# Allegro board T736_DEMO_DBOARD_V0-5-draft.brd (continued)
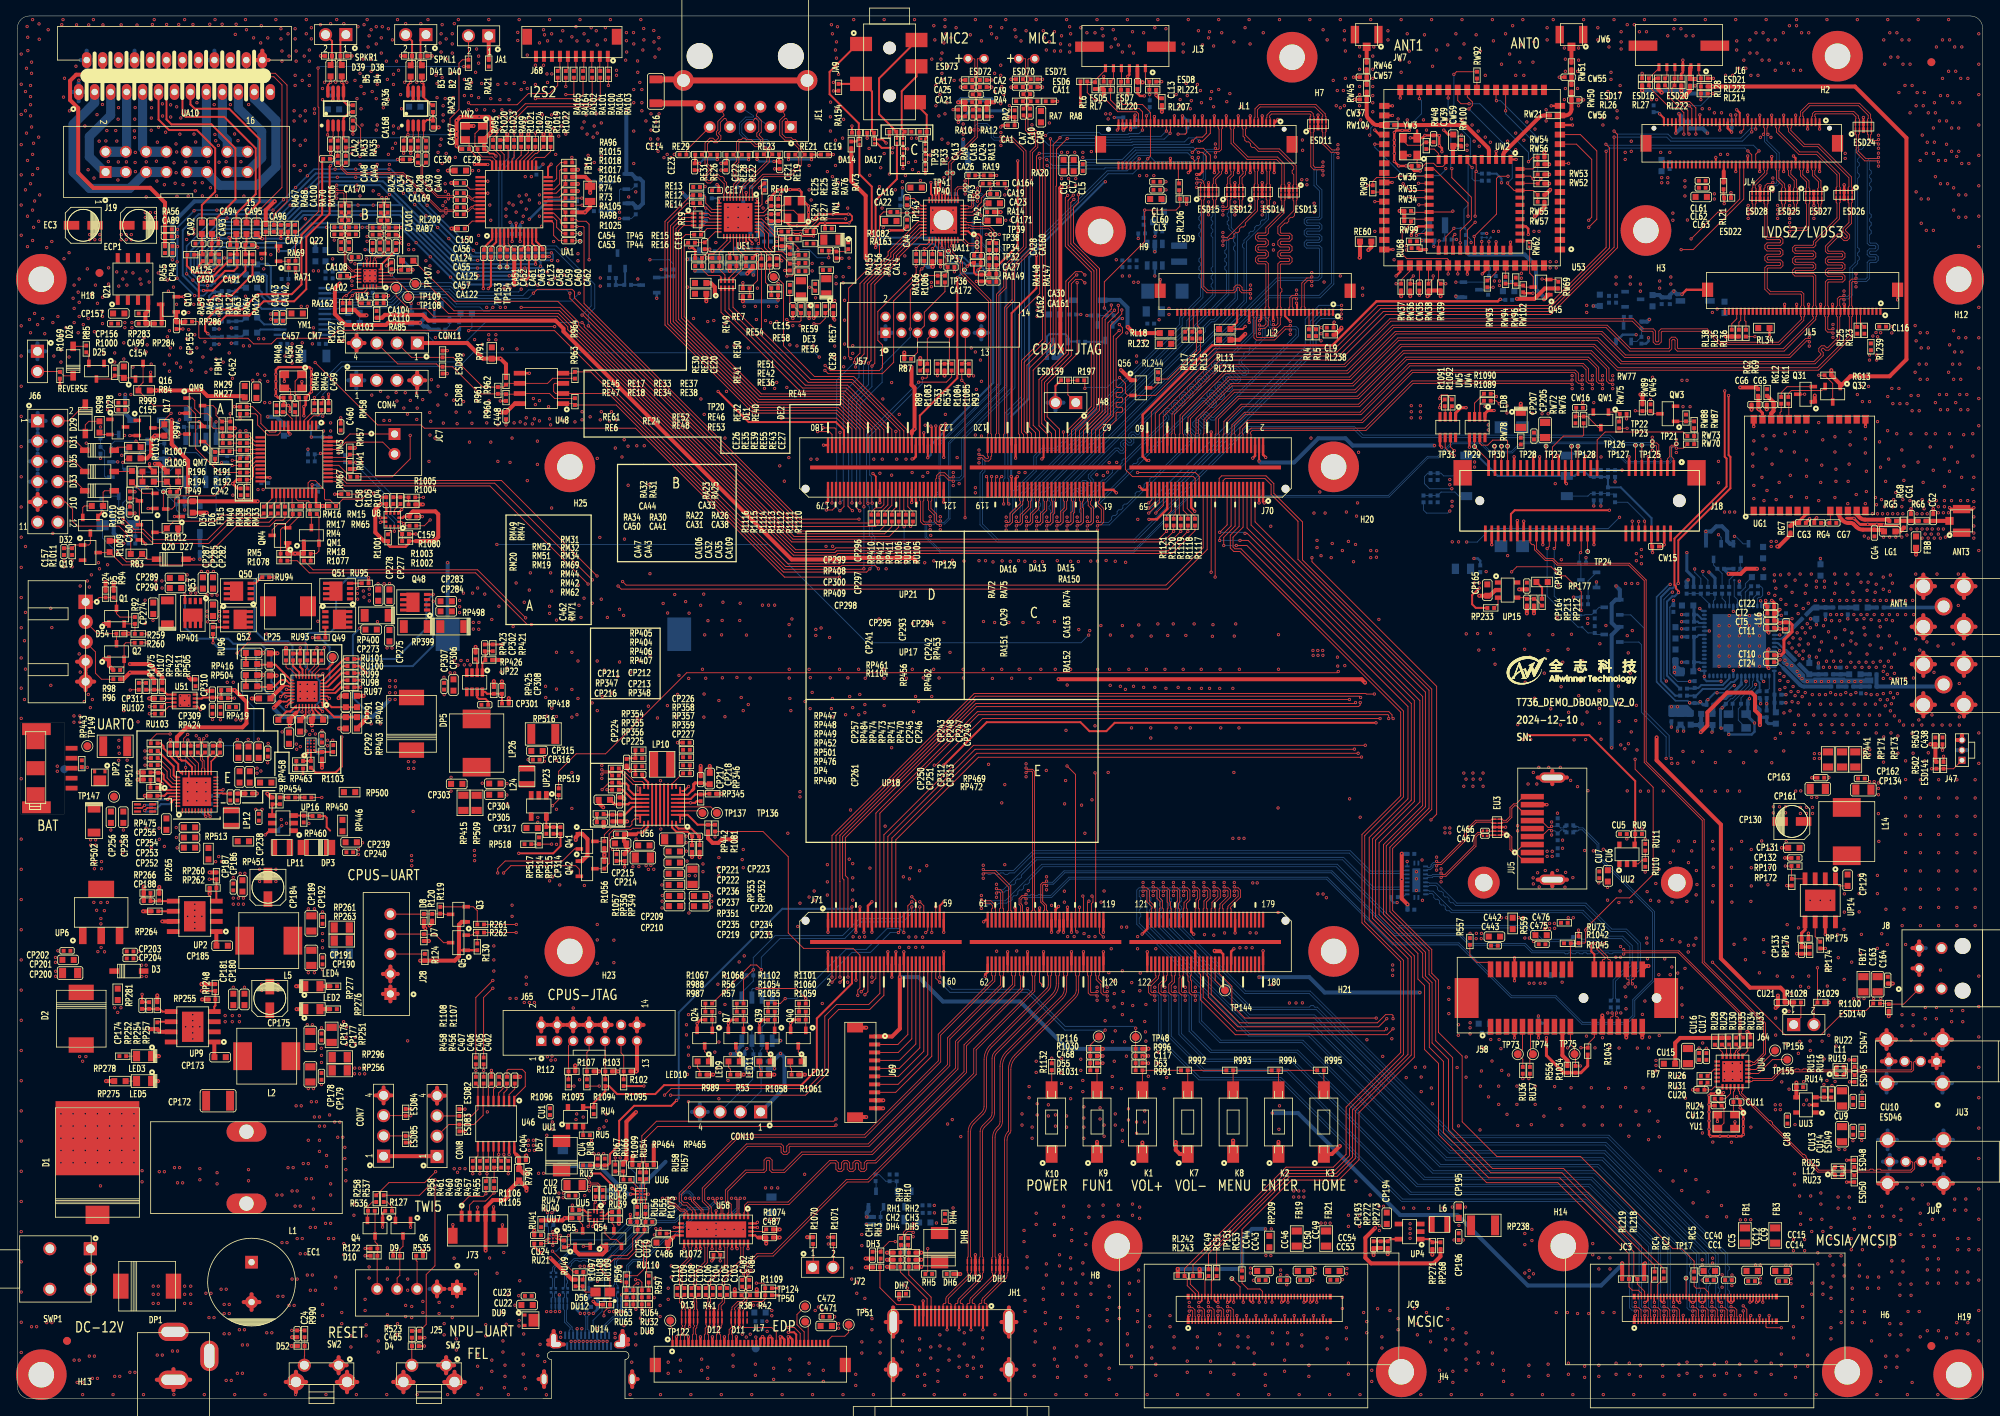
[diagram p0: board, top side]
## Routing (per net, layer and track width the routed paths; a pad name or vN(x,y) marks a point on that pad's centre or on a via; arc(x,y) is an arc through that point) (continued)
  BOTTOM w0.102: v1(205.09,10.97) 204.96,11.1 204.64,11.1 204.36,11.38 204.36,19.08 196.87,26.57 175.3,26.57 159.62,42.25 148.89,42.25 145.52,45.63 145.52,50.49 145.41,50.6 145.16,50.6 v1(145.03,50.47)
MCSIA-CKP: length 90.4
  TOP w0.102: JC3.17 205.85,10.26 205.81,10.31 205.81,11.12 205.53,11.4 205.21,11.4 v1(205.09,11.53) ; v1(145.03,51.03) 144.91,50.9 144.67,50.9 144.55,51.02 144.55,51.79 144.96,52.19 144.96,52.98 145.05,53.08 J71.136
  BOTTOM w0.102: v1(145.03,51.03) 145.16,50.9 145.54,50.9 145.82,50.62 145.82,45.75 149.02,42.55 159.74,42.55 175.42,26.87 197,26.87 204.67,19.21 204.67,11.51 204.77,11.4 204.96,11.4 v1(205.09,11.53)
MCSIA-D0N: length 90.8
  TOP w0.102: J71.130 143.55,53.08 143.65,52.98 143.65,52.59 142.98,51.92 142.98,50.9 143.28,50.6 143.64,50.6 v1(143.76,50.47) ; JC3.9 204.25,10.26 204.3,10.31 204.3,11 204.2,11.1 204.01,11.1 v1(203.88,10.97)
  BOTTOM w0.102: v1(203.88,10.97) 203.76,11.1 203.44,11.1 203.16,11.38 203.16,19.09 196.68,25.57 174.46,25.57 159.04,41 148.56,41 144.25,45.31 144.25,50.49 144.14,50.6 143.89,50.6 v1(143.76,50.47)
MCSIA-D0P: length 90.8
  TOP w0.102: v1(203.88,11.53) 204.01,11.4 204.33,11.4 204.61,11.12 204.61,10.31 204.66,10.26 JC3.11 ; J71.132 144.05,53.08 143.96,52.98 143.96,52.47 143.28,51.79 143.28,51.02 143.4,50.9 143.64,50.9 v1(143.76,51.03)
  BOTTOM w0.102: v1(203.88,11.53) 203.76,11.4 203.57,11.4 203.47,11.51 203.47,19.22 196.81,25.88 174.59,25.88 159.17,41.3 148.69,41.3 144.55,45.44 144.55,50.62 144.27,50.9 143.89,50.9 v1(143.76,51.03)
MCSIA-D1N: length 89.9
  TOP w0.102: JC3.21 206.65,10.26 206.7,10.31 206.7,11 206.6,11.1 206.41,11.1 v1(206.29,10.97) ; J71.138 145.55,53.08 145.65,52.98 145.65,52.84 145.52,52.71 145.52,50.9 145.82,50.6 146.18,50.6 v1(146.3,50.47)
  BOTTOM w0.102: v1(146.3,50.47) 146.43,50.6 146.68,50.6 146.79,50.49 146.79,46.06 149.48,43.37 160.28,43.37 176.21,27.44 197.17,27.44 205.56,19.04 205.56,11.38 205.84,11.1 206.16,11.1 v1(206.29,10.97)
MCSIA-D1P: length 89.9
  TOP w0.102: v1(146.3,51.03) 146.18,50.9 145.94,50.9 145.82,51.02 145.82,52.58 145.96,52.71 145.96,52.98 146.05,53.08 J71.140 ; JC3.23 207.06,10.26 207.01,10.31 207.01,11.12 206.73,11.4 206.41,11.4 v1(206.29,11.53)
  BOTTOM w0.102: v1(146.3,51.03) 146.43,50.9 146.81,50.9 147.09,50.62 147.09,46.19 149.61,43.68 160.41,43.68 176.34,27.74 197.29,27.74 205.87,19.17 205.87,11.51 205.97,11.4 206.16,11.4 v1(206.29,11.53)
MCSIA-D2N: length 91.2
  TOP w0.102: JC3.3 203.06,10.26 203.1,10.31 203.1,11 203,11.1 202.81,11.1 v1(202.69,10.97) ; v1(142.49,50.47) 142.37,50.6 142.01,50.6 141.71,50.9 141.71,51.87 142.65,52.81 142.65,52.98 142.55,53.08 J71.126
  BOTTOM w0.102: v1(202.69,10.97) 202.56,11.1 202.25,11.1 201.97,11.38 201.97,19.1 196.36,24.71 173.41,24.71 158.17,39.95 148.01,39.95 142.98,44.98 142.98,50.49 142.87,50.6 142.62,50.6 v1(142.49,50.47)
MCSIA-D2P: length 91.2
  TOP w0.102: v1(202.69,11.53) 202.81,11.4 203.13,11.4 203.41,11.12 203.41,10.31 203.45,10.26 JC3.5 ; J71.128 143.05,53.08 142.96,52.98 142.96,52.68 142.01,51.74 142.01,51.02 142.13,50.9 142.37,50.9 v1(142.49,51.03)
  BOTTOM w0.102: v1(202.69,11.53) 202.56,11.4 202.37,11.4 202.27,11.51 202.27,19.23 196.49,25.01 173.54,25.01 158.29,40.26 148.13,40.26 143.28,45.11 143.28,50.62 143,50.9 142.62,50.9 v1(142.49,51.03)
MCSIA-D3N: length 89.2
  TOP w0.102: v1(207.49,10.97) 207.61,11.1 207.8,11.1 207.9,11 207.9,10.31 207.86,10.26 JC3.27 ; J71.142 146.55,53.08 146.65,52.98 146.65,52.36 146.79,52.22 146.79,50.9 147.09,50.6 147.45,50.6 v1(147.57,50.47)
  BOTTOM w0.102: v1(147.57,50.47) 147.7,50.6 147.95,50.6 148.06,50.49 148.06,47.22 150.65,44.62 160.93,44.62 177.29,28.26 197.56,28.26 206.76,19.06 206.76,11.38 207.04,11.1 207.36,11.1 v1(207.49,10.97)
MCSIA-D3P: length 89.2
  TOP w0.102: JC3.29 208.25,10.26 208.21,10.31 208.21,11.12 207.93,11.4 207.61,11.4 v1(207.49,11.53) ; v1(147.57,51.03) 147.45,50.9 147.21,50.9 147.09,51.02 147.09,52.35 146.96,52.48 146.96,52.98 147.05,53.08 J71.144
  BOTTOM w0.102: v1(147.57,51.03) 147.7,50.9 148.08,50.9 148.36,50.62 148.36,47.35 150.78,44.93 161.05,44.93 177.42,28.56 197.69,28.56 207.07,19.19 207.07,11.51 207.17,11.4 207.36,11.4 v1(207.49,11.53)
MCSIA-FSIN0: length 2.3
  TOP w0.114: TP17.1 209.05,15.1 JC3.34
MCSIA-MCLK: length 128
  TOP w0.114: RC4.1 205.1,16.71 193.49,28.32 184.58,28.32 179.28,33.61 179.28,42.53 177.23,44.58 177.23,52.15 176.39,52.98 176.39,55.96 171.49,60.86 171.49,69.29 176.39,74.19 176.39,88.56 155.05,109.9 J70.5
MCSIA-PWDN: length 140.3
  TOP w0.114: RC5.1 210.06,17.23 208.5,18.8 207.38,18.8 195.83,30.35 185.34,30.35 181,34.7 181,42.95 178.03,45.92 178.03,52.48 177.19,53.31 177.19,56.29 172.29,61.19 172.29,68.96 177.19,73.86 177.19,88.93 161,105.12 161,109.88 157.4,113.47 157.4,114.69 156.43,115.67 150.87,115.67 150.55,115.35 J70.23
MCSIA-RESET: length 135.9
  TOP w0.114: J70.21 151.05,115.06 151.32,115.32 156.29,115.32 157.06,114.55 157.06,113.33 160.43,109.97 160.43,105.2 176.85,88.78 176.85,74.01 171.95,69.1 171.95,61.05 176.85,56.14 176.85,53.17 177.68,52.34 177.68,44.86 179.8,42.74 179.8,33.83 184.79,28.84 193.71,28.84 206.25,16.3 RC2.1
MCSIA-SCK: length 130.8
  TOP w0.114: J70.7 154.56,113.91 154.56,109.49 176.05,88 176.05,74.34 171.15,69.43 171.15,60.72 176.05,55.81 176.05,52.84 176.89,52 176.89,44.03 178.65,42.26 178.65,33.35 184.31,27.68 193.23,27.68 202.5,18.41 202.5,15.43 RL218.1 202.95,14.35 203.86,13.44 JC3.8
MCSIA-SDA: length 131.5
  TOP w0.114: J70.9 154.05,113.91 154.05,109.14 175.71,87.48 175.71,74.78 170.59,69.67 170.59,60.66 175.45,55.79 175.45,52.59 176.29,51.76 176.29,43.76 178.04,42.01 178.04,33.09 184.06,27.07 192.98,27.07 201.89,18.16 RL219.1 201.89,14.01 202.31,13.59 203.07,13.59 203.45,13.21 JC3.6
MCSIB-CKN: length 105.4
  TOP w0.102: v1(143.56,64.16) 143.69,64.03 144.05,64.03 144.35,63.73 144.35,62.36 144.46,62.25 144.46,61.48 144.55,61.39 J71.133 ; v1(212.28,10.97) 212.41,11.1 212.6,11.1 212.7,11 212.7,10.31 212.65,10.26 JC3.51
  BOTTOM w0.102: v1(143.56,64.16) 143.43,64.03 143.06,64.03 142.77,63.75 142.77,59.31 154.3,47.79 162.38,47.79 179.4,30.77 198.8,30.77 211.56,18 211.56,11.38 211.84,11.1 212.16,11.1 v1(212.28,10.97)
MCSIB-CKP: length 105.4
  TOP w0.102: JC3.53 213.06,10.26 213.01,10.31 213.01,11.12 212.73,11.4 212.41,11.4 v1(212.28,11.53) ; J71.131 144.05,61.39 144.15,61.48 144.15,62.12 144.04,62.23 144.04,63.61 143.92,63.73 143.69,63.73 v1(143.56,63.6)
  BOTTOM w0.102: v1(212.28,11.53) 212.16,11.4 211.97,11.4 211.87,11.51 211.87,14.08 212.07,14.28 212.07,14.58 211.87,14.78 211.87,15.09 212.07,15.29 212.07,15.59 211.87,15.79 211.87,16.1 212.07,16.3 212.07,16.6 211.87,16.8 211.87,18.13 198.92,31.07 179.52,31.07 162.5,48.09 154.43,48.09 143.08,59.44 143.08,60.07 143.28,60.27 143.28,60.57 143.08,60.77 143.08,61.08 143.28,61.28 143.28,61.58 143.08,61.78 143.08,62.09 143.28,62.29 143.28,62.59 143.08,62.8 143.08,63.62 143.19,63.73 143.43,63.73 v1(143.56,63.6)
MCSIB-D0N: length 105.6
  TOP w0.102: v1(142.29,64.16) 142.42,64.03 142.78,64.03 143.08,63.73 143.08,62.81 143.46,62.44 143.46,61.48 143.55,61.39 J71.129 ; v1(211.09,10.97) 211.21,11.1 211.4,11.1 211.5,11 211.5,10.31 211.46,10.26 JC3.45
  BOTTOM w0.102: v1(142.29,64.16) 142.16,64.03 141.79,64.03 141.5,63.75 141.5,59.34 154.16,46.69 162.16,46.69 178.95,29.9 198.52,29.9 210.36,18.06 210.36,11.38 210.64,11.1 210.96,11.1 v1(211.09,10.97)
MCSIB-D0P: length 105.6
  TOP w0.102: J71.127 143.05,61.39 143.15,61.48 143.15,62.31 142.77,62.69 142.77,63.61 142.65,63.73 142.42,63.73 v1(142.29,63.6) ; JC3.47 211.85,10.26 211.81,10.31 211.81,11.12 211.53,11.4 211.21,11.4 v1(211.09,11.53)
  BOTTOM w0.102: v1(142.29,63.6) 142.16,63.73 141.92,63.73 141.81,63.62 141.81,62.94 142.01,62.74 142.01,62.44 141.81,62.23 141.81,61.93 142.01,61.73 142.01,61.42 141.81,61.22 141.81,60.92 142.01,60.72 142.01,60.41 141.81,60.21 141.81,59.47 154.28,47 162.28,47 179.07,30.21 198.65,30.21 210.67,18.19 210.67,16.62 210.87,16.42 210.87,16.11 210.67,15.91 210.67,13.96 210.87,13.76 210.87,13.45 210.67,13.25 210.67,12.95 210.87,12.75 210.87,12.44 210.67,12.24 210.67,11.51 210.77,11.4 210.96,11.4 v1(211.09,11.53)
MCSIB-D1N: length 105.4
  TOP w0.102: v1(213.49,10.97) 213.61,11.1 213.8,11.1 213.9,11 213.9,10.31 213.86,10.26 JC3.57 ; J71.137 145.55,61.39 145.46,61.48 145.46,62.08 145.62,62.24 145.62,63.73 145.32,64.03 144.96,64.03 v1(144.83,64.16)
  BOTTOM w0.102: v1(213.49,10.97) 213.36,11.1 213.04,11.1 212.76,11.38 212.76,17.95 198.92,31.79 179.69,31.79 162.73,48.76 154.45,48.76 144.04,59.16 144.04,63.75 144.33,64.03 144.7,64.03 v1(144.83,64.16)
MCSIB-D1P: length 105.4
  TOP w0.102: JC3.59 214.25,10.26 214.21,10.31 214.21,11.12 213.93,11.4 213.61,11.4 v1(213.49,11.53) ; J71.135 145.05,61.39 145.15,61.48 145.15,62.2 145.31,62.37 145.31,63.61 145.19,63.73 144.96,63.73 v1(144.83,63.6)
  BOTTOM w0.102: v1(144.83,63.6) 144.7,63.73 144.46,63.73 144.35,63.62 144.35,62.84 144.55,62.64 144.55,62.33 144.35,62.13 144.35,61.83 144.55,61.62 144.55,61.32 144.35,61.12 144.35,60.81 144.55,60.61 144.55,60.31 144.35,60.11 144.35,59.29 154.57,49.07 161.84,49.07 162.04,49.27 162.35,49.27 162.55,49.07 162.85,49.07 179.82,32.1 199.04,32.1 213.07,18.07 213.07,13.92 213.27,13.72 213.27,13.42 213.07,13.22 213.07,12.91 213.27,12.71 213.27,12.41 213.07,12.21 213.07,11.51 213.17,11.4 213.36,11.4 v1(213.49,11.53)
MCSIB-D2N: length 105.6
  TOP w0.102: v1(209.89,10.97) 210.01,11.1 210.2,11.1 210.3,11 210.3,10.31 210.26,10.26 JC3.39 ; v1(141.02,64.16) 141.15,64.03 141.51,64.03 141.81,63.73 141.81,62.4 142.46,61.75 142.46,61.48 142.55,61.39 J71.125
  BOTTOM w0.102: v1(141.02,64.16) 140.89,64.03 140.52,64.03 140.23,63.75 140.23,59.46 154.25,45.44 161.8,45.44 178.18,29.06 197.97,29.06 209.16,17.86 209.16,11.38 209.44,11.1 209.76,11.1 v1(209.89,10.97)
MCSIB-D2P: length 105.6
  TOP w0.102: v1(141.02,63.6) 141.15,63.73 141.38,63.73 141.5,63.61 141.5,62.27 142.15,61.63 142.15,61.48 142.05,61.39 J71.123 ; v1(209.89,11.53) 210.01,11.4 210.33,11.4 210.61,11.12 210.61,10.31 210.65,10.26 JC3.41
  BOTTOM w0.102: v1(209.89,11.53) 209.76,11.4 209.57,11.4 209.47,11.51 209.47,14.83 209.67,15.03 209.67,15.34 209.47,15.54 209.47,15.84 209.67,16.04 209.67,16.35 209.47,16.55 209.47,16.85 209.67,17.05 209.67,17.36 209.47,17.56 209.47,17.99 198.09,29.36 178.31,29.36 161.92,45.75 154.38,45.75 140.54,59.59 140.54,60.24 140.74,60.44 140.74,60.74 140.54,60.94 140.54,61.25 140.74,61.45 140.74,61.75 140.54,61.95 140.54,62.26 140.74,62.46 140.74,62.76 140.54,62.97 140.54,63.62 140.65,63.73 140.89,63.73 v1(141.02,63.6)
MCSIB-D3N: length 105.4
  TOP w0.102: v1(146.1,64.16) 146.23,64.03 146.59,64.03 146.89,63.73 146.89,62.48 146.46,62.05 146.46,61.48 146.55,61.39 J71.141 ; JC3.63 215.05,10.26 215.1,10.31 215.1,11 215,11.1 214.81,11.1 v1(214.68,10.97)
  BOTTOM w0.102: v1(214.68,10.97) 214.56,11.1 214.24,11.1 213.96,11.38 213.96,18.02 199.27,32.71 179.9,32.71 161.84,50.77 153.77,50.77 145.31,59.23 145.31,63.75 145.6,64.03 145.97,64.03 v1(146.1,64.16)
MCSIB-D3P: length 105.4
  TOP w0.102: JC3.65 215.46,10.26 215.41,10.31 215.41,11.12 215.13,11.4 214.81,11.4 v1(214.68,11.53) ; v1(146.1,63.6) 146.23,63.73 146.46,63.73 146.58,63.61 146.58,62.61 146.15,62.18 146.15,61.48 146.05,61.39 J71.139
  BOTTOM w0.102: v1(214.68,11.53) 214.56,11.4 214.37,11.4 214.27,11.51 214.27,12.97 214.47,13.17 214.47,13.48 214.27,13.68 214.27,14.63 214.47,14.83 214.47,15.13 214.27,15.33 214.27,15.99 214.47,16.2 214.47,16.5 214.27,16.7 214.27,18.14 199.39,33.02 180.03,33.02 161.97,51.08 153.89,51.08 145.62,59.35 145.62,60.16 145.82,60.36 145.82,60.67 145.62,60.87 145.62,61.17 145.82,61.37 145.82,61.68 145.62,61.88 145.62,62.18 145.82,62.38 145.82,62.69 145.62,62.89 145.62,63.62 145.73,63.73 145.97,63.73 v1(146.1,63.6)
MCSIB-FSIN0: length 2.7
  TOP w0.114: v1(220.98,8.89) 219.17,8.89 219.05,9 JC3.83
MCSIC-CKN: length 61.3
  TOP w0.102: JC9.15 149.58,10.26 149.62,10.31 149.62,11 149.52,11.1 149.33,11.1 v1(149.21,10.97) ; v1(149.91,64.16) 150.04,64.03 150.4,64.03 150.7,63.73 150.7,62.81 149.96,62.07 149.96,61.48 150.05,61.39 J71.155
  L4 w0.102: v1(149.91,64.16) 149.77,64.02 149.46,64.02 149.2,63.76 149.2,53.23 148.49,52.52 148.49,11.38 148.75,11.11 149.07,11.11 v1(149.21,10.97)
MCSIC-CKP: length 61.2
  TOP w0.102: JC9.17 149.97,10.26 149.93,10.31 149.93,11.12 149.65,11.4 149.33,11.4 v1(149.21,11.53) ; J71.153 149.55,61.39 149.65,61.48 149.65,62.2 150.39,62.94 150.39,63.61 150.27,63.73 150.04,63.73 v1(149.91,63.6)
  L4 w0.102: v1(149.21,11.53) 149.07,11.39 148.87,11.39 148.77,11.49 148.77,40.34 148.94,40.52 148.94,40.82 148.77,41 148.77,41.3 148.94,41.48 148.94,41.78 148.77,41.96 148.77,42.26 148.94,42.44 148.94,42.74 148.77,42.92 148.77,47.22 148.94,47.39 148.94,47.7 148.77,47.87 148.77,48.18 148.94,48.35 148.94,48.66 148.77,48.83 148.77,49.14 148.94,49.31 148.94,49.62 148.77,49.79 148.77,52.4 149.48,53.11 149.48,63.64 149.58,63.74 149.77,63.74 v1(149.91,63.6)
MCSIC-D0N: length 61.5
  TOP w0.102: J71.151 149.05,61.39 148.96,61.48 148.96,62.24 149.43,62.71 149.43,63.73 149.13,64.03 148.77,64.03 v1(148.64,64.16) ; v1(148,10.97) 148.13,11.1 148.32,11.1 148.42,11 148.42,10.31 148.37,10.26 JC9.9
  L4 w0.102: v1(148.64,64.16) 148.52,64.03 148.23,64.03 147.9,63.7 147.9,53.46 146.79,52.34 146.79,43.75 147.29,43.24 147.29,11.39 147.56,11.13 147.85,11.13 v1(148,10.97)
MCSIC-D0P: length 61.5
  TOP w0.102: J71.149 148.55,61.39 148.65,61.48 148.65,62.37 149.12,62.84 149.12,63.61 149,63.73 148.77,63.73 v1(148.64,63.6) ; v1(148,11.53) 148.13,11.4 148.45,11.4 148.73,11.12 148.73,10.31 148.78,10.26 JC9.11
  L4 w0.102: v1(148,11.53) 147.88,11.4 147.68,11.4 147.57,11.51 147.57,12.74 147.75,12.91 147.75,13.22 147.57,13.39 147.57,13.7 147.75,13.87 147.75,14.18 147.57,14.35 147.57,14.66 147.75,14.83 147.75,15.14 147.57,15.31 147.57,17.61 147.75,17.79 147.75,18.09 147.57,18.27 147.57,18.57 147.75,18.75 147.75,19.05 147.57,19.23 147.57,19.53 147.75,19.71 147.75,20.01 147.57,20.19 147.57,43.36 147.07,43.87 147.07,52.22 148.18,53.34 148.18,63.59 148.35,63.76 148.49,63.76 v1(148.64,63.6)
MCSIC-D1N: length 61.4
  TOP w0.102: v1(150.41,10.97) 150.53,11.1 150.72,11.1 150.82,11 150.82,10.31 150.77,10.26 JC9.21 ; J71.159 151.05,61.39 150.96,61.48 150.96,61.85 151.97,62.87 151.97,63.73 151.67,64.03 151.31,64.03 v1(151.18,64.16)
  L4 w0.102: v1(150.41,10.97) 150.28,11.1 149.99,11.1 149.71,11.39 149.71,52.19 150.42,52.9 150.42,63.7 150.73,64.02 151.04,64.02 v1(151.18,64.16)
MCSIC-D1P: length 61.3
  TOP w0.102: v1(151.18,63.6) 151.31,63.73 151.54,63.73 151.66,63.61 151.66,62.99 150.65,61.98 150.65,61.48 150.55,61.39 J71.157 ; JC9.23 151.18,10.26 151.13,10.31 151.13,11.12 150.85,11.4 150.53,11.4 v1(150.41,11.53)
  L4 w0.102: v1(151.18,63.6) 151.04,63.74 150.85,63.74 150.7,63.59 150.7,52.78 149.99,52.07 149.99,51.55 150.16,51.38 150.16,51.07 149.99,50.89 149.99,50.59 150.16,50.41 150.16,50.11 149.99,49.93 149.99,49.63 150.16,49.45 150.16,49.15 149.99,48.97 149.99,15.15 150.16,14.98 150.16,14.67 149.99,14.5 149.99,14.19 150.16,14.02 150.16,13.71 149.99,13.54 149.99,13.23 150.16,13.06 150.16,12.75 149.99,12.58 149.99,11.5 150.11,11.38 150.25,11.38 v1(150.41,11.53)
MCSIC-D2N: length 61.4
  TOP w0.102: v1(146.81,10.97) 146.93,11.1 147.12,11.1 147.22,11 147.22,10.31 147.18,10.26 JC9.3 ; J71.147 148.05,61.39 147.96,61.48 147.96,62.43 148.13,62.61 148.13,63.75 147.85,64.03 147.5,64.03 v1(147.37,64.16)
  L4 w0.102: v1(147.37,64.16) 147.23,64.02 146.92,64.02 146.66,63.76 146.66,54.22 145.57,53.13 145.57,43.04 146,42.6 146,11.38 146.27,11.11 146.67,11.11 v1(146.81,10.97)
MCSIC-D2P: length 61.4
  TOP w0.102: v1(146.81,11.53) 146.93,11.4 147.25,11.4 147.53,11.12 147.53,10.31 147.57,10.26 JC9.5 ; v1(147.37,63.6) 147.5,63.73 147.73,63.73 147.83,63.63 147.83,62.74 147.65,62.56 147.65,61.48 147.55,61.39 J71.145
  L4 w0.102: v1(147.37,63.6) 147.23,63.74 147.04,63.74 146.94,63.64 146.94,54.1 145.85,53.01 145.85,49.16 146.02,48.99 146.02,48.68 145.85,48.51 145.85,48.2 146.02,48.03 146.02,47.72 145.85,47.55 145.85,47.24 146.02,47.07 146.02,46.76 145.85,46.59 145.85,43.15 146.28,42.72 146.28,41.05 146.46,40.87 146.46,40.57 146.28,40.39 146.28,40.09 146.46,39.91 146.46,39.61 146.28,39.43 146.28,39.13 146.46,38.95 146.46,38.65 146.28,38.47 146.28,11.49 146.38,11.39 146.67,11.39 v1(146.81,11.53)
MCSIC-D3N: length 61.5
  TOP w0.102: v1(151.61,10.97) 151.73,11.1 151.92,11.1 152.02,11 152.02,10.31 151.98,10.26 JC9.27 ; v1(152.45,64.16) 152.58,64.03 152.94,64.03 153.24,63.73 153.24,62.87 151.96,61.58 151.96,61.48 152.05,61.39 J71.163
  L4 w0.102: v1(152.45,64.16) 152.31,64.02 152,64.02 151.74,63.76 151.74,52.39 150.95,51.6 150.95,11.36 151.21,11.1 151.48,11.1 v1(151.61,10.97)
MCSIC-D3P: length 61.4
  TOP w0.102: J71.161 151.55,61.39 151.65,61.48 151.65,61.71 152.93,62.99 152.93,63.61 152.81,63.73 152.58,63.73 v1(152.45,63.6) ; v1(151.61,11.53) 151.73,11.4 152.05,11.4 152.33,11.12 152.33,10.31 152.37,10.26 JC9.29
  L4 w0.102: v1(151.61,11.53) 151.45,11.38 151.33,11.38 151.23,11.48 151.23,38.74 151.4,38.91 151.4,39.22 151.23,39.39 151.23,39.7 151.4,39.87 151.4,40.18 151.23,40.35 151.23,40.66 151.4,40.83 151.4,41.14 151.23,41.31 151.23,48.6 151.4,48.77 151.4,49.08 151.23,49.25 151.23,49.56 151.4,49.73 151.4,50.04 151.23,50.21 151.23,50.52 151.4,50.69 151.4,51 151.23,51.17 151.23,51.48 152.02,52.27 152.02,63.64 152.12,63.74 152.31,63.74 v1(152.45,63.6)
MCSIC-FSIN0: length 2.7
  TOP w0.114: JC9.34 153.17,14.02 TP151.1
MCSIC-MCLK: length 127.4
  TOP w0.114: v1(152.7,106.93) 154.02,106.93 174.21,86.75 174.21,75.19 169.35,70.33 169.35,60.02 174.21,55.17 174.21,43.14 167.26,36.2 167.26,30.28 165.19,28.21 159.27,28.21 149.99,18.93 149.22,18.16 RC49.1 ; v1(151.13,106.93) 151.13,107.95 152.55,109.37 J70.15
  BOTTOM w0.114: v1(151.13,106.93) v1(152.7,106.93)
MCSIC-PWDN: length 126.7
  TOP w0.114: J70.19 151.55,109.52 v1(150.62,108.58) ; v1(153.8,108.46) 154.06,108.46 175.01,87.52 175.01,74.85 170.15,70 170.15,60.35 175.01,55.5 175.01,42.8 168.07,35.86 168.07,29.95 165.52,27.4 159.6,27.4 153.42,21.21 RC53.1
  BOTTOM w0.114: v1(153.8,108.46) 153.67,108.58 v1(150.62,108.58)
MCSIC-RESET: length 127.9
  TOP w0.114: RC51.1 150.24,18.68 159.41,27.86 165.33,27.86 167.61,30.14 167.61,36.05 174.62,43.07 174.62,55.34 169.77,60.19 169.77,70.16 174.62,75.01 174.62,87.12 154.18,107.57 v1(153.16,107.57) ; J70.17 152.05,109.38 150.62,107.95 v1(150.62,107.57)
  BOTTOM w0.114: v1(150.62,107.57) v1(153.16,107.57)
MCSIC-SCK: length 129.9
  TOP w0.114: J70.11 153.55,109.23 152.29,107.97 152.29,106.76 152.53,106.52 153.3,106.52 173.64,86.18 173.64,75.42 168.79,70.57 168.79,59.78 173.64,54.93 173.64,43.12 166.88,36.36 166.88,30.44 165.03,28.59 159.11,28.59 149.61,19.09 147.28,16.76 RL242.1 146.94,15.03 146.94,14.35 147.98,13.31 JC9.8
MCSIC-SDA: length 130.1
  TOP w0.114: J70.13 153.05,109.33 151.95,108.22 151.95,106.62 152.39,106.18 153.16,106.18 173.3,86.04 173.3,75.56 168.45,70.71 168.45,59.64 173.3,54.79 173.3,43.38 166.46,36.53 166.46,30.62 164.85,29.01 158.93,29.01 146.22,16.3 RL243.1 146.56,15.03 146.56,14.16 147.57,13.15 JC9.6
MCU-BOOTSEL0: length 2.6
  TOP w0.114: UM3.44 v1(37.97,118.48)
  BOTTOM w0.114: RM70.1 RM63.1 37.86,118.36 v1(37.97,118.48)
MCU-BOOTSEL1: length 4.2
  TOP w0.114: RM71.1 28.75,114.17 RM62.1 29.21,115.19 29.59,115.57 29.59,116.71 29.86,116.98 UM3.20
MCU-OVP-IRQ: length 157.4
  TOP w0.114: v1(26.92,117.6) 27.64,117.6 RM69.1 ; J71.111 134.05,62.17 v1(134.24,62.36)
  L3 w0.114: v1(26.92,117.6) 35.23,117.6 35.52,117.89 37.81,117.89 42.29,113.41 42.29,108.46 44.07,106.68 59.69,106.68 v1(60.07,107.06)
  L4 w0.114: v1(134.21,95.71) 134.21,62.82 134.24,62.79 v1(134.24,62.36)
  BOTTOM w0.114: v1(60.07,107.06) 94.11,107.06 106.43,94.74 133.24,94.74 v1(134.21,95.71)
MCU-RESET: length 3.1
  TOP w0.114: UM3.7 34.42,122.8 33.57,123.65 C456.1 RM48.1
MCU-SCK: length 16.3
  TOP w0.114: v1(42.37,117.37) RM57.2 41.54,117.48 UM3.42 ; U8.12 v1(47.22,108.72)
  BOTTOM w0.114: v1(47.22,108.72) 47.22,109.82 46.29,110.75 46.29,113.17 42.37,117.1 v1(42.37,117.37) 42.14,117.14 41.33,117.14 R1079.1
MCU-SDA: length 16.7
  TOP w0.114: UM3.43 41.31,117.98 RM58.2 42.59,118.32 43.13,117.78 v1(43.13,117.36) ; R1080.1 48.67,109.41 v1(48.39,109.68) 48.17,109.9 U8.2
  BOTTOM w0.114: v1(48.39,109.68) 47.95,109.68 46.84,110.8 46.84,113.4 43.15,117.08 43.15,117.34 v1(43.13,117.36)
MCU-SWCLK: length 22.2
  TOP w0.114: UM3.37 39.84,114.98 RM67.1 43.04,113.37 43.59,113.92 44.15,113.92 v1(44.62,113.45)
  L4 w0.114: v1(44.62,113.45) 45.42,114.25 45.42,125.5 CON4.3
MCU-SWDIO: length 26.2
  TOP w0.114: v1(43.91,113.46) 43.19,112.75 40.78,112.75 RM65.2 39.16,112.65 38.61,112.65 38.48,112.78 38.48,113.92 37.34,115.06 36.7,115.06 36.42,114.78 UM3.34
  L4 w0.114: CON4.2 45.01,114.57 v1(43.91,113.46)
MCU-UART1-RX: length 6.9
  TOP w0.114: UM3.30 34.42,111.97 RM15.1 RM16.1 34.5,110.57 33.53,109.6 32.64,109.6 31.92,108.88 QM4.3
MCU-UART1-TX: length 5.8
  TOP w0.114: UM3.31 34.92,112.78 35.18,112.52 36.45,112.52 36.66,112.31 RM17.1 RM4.1 36.83,110.7 QM1.3
MCU-X16MI: length 7
  TOP w0.114: UM3.5 35.42,125.32 CM7.2 34.8,125.94 34.8,127.54 YM1.1
MCU-X16MO: length 1.7
  TOP w0.114: UM3.6 34.92,123.53 RM50.2
MDC: length 3.6
  TOP w0.114: RE12.2 86,150.85 86.23,150.62 86.23,149.83 87.01,149.06 UE1.13
MDI0+: length 18.1
  TOP w0.102: JE1.1 96.37,160.43 96.24,160.47 96.15,160.43 95.81,160.09 95.81,158.5 96.27,158.04 96.96,158.04 97.18,157.82 97.46,157.82 97.67,157.61 97.67,157.32 98.2,156.8 98.2,156.37 RE21.1 98.2,155.49 98.2,154.58 97.98,154.37 97.98,154.09 97.77,153.87 97.48,153.87 96.77,153.16 93.53,153.16 92.05,151.68 92.05,151.01 92.1,150.96 UE1.1
MDI0-: length 18.1
  TOP w0.102: JE1.2 96.15,160.88 96.1,160.75 95.97,160.68 95.5,160.21 95.5,158.37 96.14,157.73 96.83,157.73 97.89,156.68 97.89,156.37 RE19.1 97.89,155.49 97.89,154.71 96.65,153.47 93.41,153.47 91.74,151.8 91.74,151.01 91.7,150.96 UE1.2
MDI1+: length 18.2
  TOP w0.102: UE1.4 90.9,150.96 90.85,151.01 90.85,151.63 94.2,154.98 94.2,155.58 RE23.1 94.2,156.33 94.2,156.62 v1(94.32,156.75)
  BOTTOM w0.102: v1(94.32,156.75) 94.2,156.88 94.2,157.56 93.92,157.84 91.59,157.84 90.75,158.67 90.75,159.72 91.36,160.32 92.34,160.32 92.47,160.52 92.61,160.55 JE1.3
MDI1-: length 18.3
  TOP w0.102: v1(93.76,156.75) 93.89,156.62 93.89,156.33 RE22.1 93.89,155.58 93.89,155.11 90.54,151.76 90.54,151.01 90.5,150.96 UE1.5
  BOTTOM w0.102: JE1.6 90.55,161.91 92.22,160.79 92.23,160.72 92.17,160.63 91.23,160.63 90.45,159.85 90.45,158.55 91.47,157.53 93.79,157.53 93.89,157.43 93.89,156.88 v1(93.76,156.75)
MDI2+: length 16.4
  TOP w0.102: JE1.4 92.56,160.88 92.61,160.75 92.74,160.68 93.19,160.23 93.19,158.75 92.94,158.5 92.94,158.35 93.39,157.9 93.39,157.51 92.8,156.92 92.41,156.92 91.84,157.49 90.49,157.49 90.39,157.39 90.39,156.31 RE28.1 90.39,155.55 90.39,154.96 90.04,154.62 90.04,153.34 90.42,152.96 90.42,152.48 90.04,152.1 90.04,151.01 90.1,150.96 UE1.6
MDI2-: length 16.3
  TOP w0.102: UE1.7 89.7,150.96 89.74,151 89.74,152.22 90.12,152.6 90.12,152.83 89.74,153.21 89.74,153.73 89.54,153.93 89.54,154.24 89.74,154.44 89.74,154.74 90.08,155.09 90.08,155.55 RE26.1 90.08,156.31 90.08,157.52 90.36,157.79 90.67,157.79 90.87,158 91.17,158 91.37,157.79 91.96,157.79 92.53,157.22 92.68,157.22 93.09,157.63 93.09,157.78 92.63,158.23 92.63,158.62 92.89,158.88 92.89,160.1 92.56,160.43 92.47,160.47 92.34,160.43 JE1.5
MDI3+: length 17.4
  TOP w0.102: JE1.7 88.75,160.43 88.62,160.47 88.53,160.43 88.06,159.96 88.06,158.88 87.87,158.69 87.87,158.54 88.14,158.28 88.14,157.88 87.67,157.42 87.28,157.42 87.01,157.68 86.87,157.68 86.45,157.26 86.45,156.31 RE31.1 86.45,155.55 86.45,154.79 87.01,154.24 87.01,153.84 86.28,153.11 86.28,152.97 86.56,152.68 86.71,152.68 87.44,153.41 87.83,153.41 88.05,153.19 88.33,153.19 88.55,152.98 88.55,152.69 88.85,152.39 88.85,152.09 89.05,151.89 89.05,151.58 88.85,151.38 88.85,151.01 88.9,150.96 UE1.9
MDI3-: length 17.4
  TOP w0.102: JE1.8 88.53,160.88 88.48,160.75 88.35,160.68 87.76,160.08 87.76,159 87.57,158.82 87.57,158.42 87.83,158.15 87.83,158.01 87.54,157.72 87.4,157.72 87.14,157.99 86.74,157.99 86.14,157.39 86.14,156.31 RE29.1 86.14,155.55 86.14,154.67 86.7,154.11 86.7,153.97 85.97,153.24 85.97,152.84 86.44,152.37 86.83,152.37 87.56,153.1 87.71,153.1 88.54,152.27 88.54,151.01 88.5,150.96 UE1.10
MDIO: length 3.6
  TOP w0.114: RE14.2 85.62,149.83 v1(86.23,149.22) 86.36,149.22 86.93,148.66 UE1.14
  BOTTOM w0.114: RE8.2 v1(86.23,149.22)
MIC-GND-SEL: length 139
  TOP w0.076: v1(68,20.47) 67.79,20.27 67.28,20.27 UU7.B2
  TOP w0.114: J70.174 v1(103.05,121.11)
  L3 w0.114: v1(75.74,118.03) 76,117.77 80.36,117.77 83.61,121.02 99.03,121.02 100.11,122.1 102.06,122.1 v1(103.05,121.11)
  L4 w0.114: v1(68,20.47) 68,24.08 67.28,24.79 67.28,30 68.45,31.17 68.45,42.24 67.32,43.38 65.26,43.38 64.74,43.89 64.74,47.47 65.71,48.44 65.71,69.57 66.27,70.13 66.27,74.73 66.98,75.44 66.98,82.32 65.71,83.59 65.71,107.18 75.74,117.21 v1(75.74,118.03)
MICIN1N: length 67.1
  TOP w0.102: CA10.1 126.61,160.58 126.61,159.1 126.71,159 126.98,159 v1(127.1,159.13) 127.23,159 127.56,159 127.84,158.72 127.84,156.85 127.18,156.19 127.18,143.97 124.92,141.71 124.92,137.62 123.96,136.66 123.96,120.96 124.05,120.87 J70.110 ; UA11.1 118.53,145.43 119.15,144.8 119.54,144.8 119.68,144.81 120.1,144.81 v1(120.22,144.93)
  L4 w0.102: v1(120.22,144.93) 120.36,144.79 124.97,144.79 126.06,145.88 126.06,158.72 126.32,158.99 126.96,158.99 v1(127.1,159.13)
MICIN1N-AC107: length 3
  TOP w0.102: UA3.6 44.97,142.59 44.87,142.69 44.87,142.88 44.99,143 45.59,143 46.05,143.46 46.05,143.64 CA35.2
MICIN1N-MIC: length 8.2
  TOP w0.102: CA10.2 126.62,161.94 126.62,162.29 RA7.1 126.59,162.95 126.59,163.22 CA9.1 126.58,163.8 126.58,164.03 CA11.2 126.61,164.73 126.61,165.03 ESD71.2 126.61,165.71 126.61,167.84 126.71,167.94 MIC1.2
MICIN1P: length 67.3
  TOP w0.102: UA11.40 118.3,145.23 119.02,144.5 119.54,144.5 119.68,144.5 120.1,144.5 v1(120.22,144.37) ; J70.112 123.55,120.87 123.65,120.96 123.65,136.78 124.61,137.74 124.61,141.83 126.87,144.09 126.87,156.31 127.53,156.97 127.53,158.59 127.43,158.69 127.23,158.69 v1(127.1,158.57) 126.98,158.69 126.58,158.69 126.3,158.97 126.3,160.58 CA7.1
  L4 w0.102: v1(120.22,144.37) 120.36,144.51 125.08,144.51 126.34,145.77 126.34,158.61 126.44,158.71 126.96,158.71 v1(127.1,158.57)
MICIN1P-AC107: length 3
  TOP w0.102: CA32.2 45.85,143.64 45.85,143.54 45.51,143.21 44.91,143.21 44.67,142.97 44.67,142.69 44.57,142.59 UA3.7
MICIN1P-MIC: length 8.2
  TOP w0.102: CA7.2 126.31,161.96 126.31,162.27 RA4.1 126.29,162.93 126.29,163.24 CA9.2 126.27,163.75 126.27,164.08 CA2.1 126.3,164.73 126.3,165.03 ESD70.2 126.3,165.71 126.3,167.89 126.25,167.94 MIC1.1
MICIN2N: length 58.7
  TOP w0.102: 116.98,153.62 116.98,150.88 117.03,150.83 UA11.13 ; 116.98,153.62 116.98,154.8 120.26,158.08 120.26,158.9 v1(120.39,159.03) 120.26,159.15 120.26,160.46 CA24.1 ; 116.98,153.62 TP33.1 ; J70.116 122.55,120.87 122.65,120.96 122.65,138.42 123.57,139.34 123.57,141.93 126.06,144.42 126.06,156.26 124.59,157.73 123.34,157.73 v1(123.22,157.61)
  BOTTOM w0.102: v1(120.39,159.03) 120.26,159.15 120.26,159.39 120.38,159.51 121.36,159.51 122,158.88 122,158.09 122.35,157.73 123.09,157.73 v1(123.22,157.61)
MICIN2N-AC107: length 4.4
  TOP w0.102: UA3.12 42.32,141.14 42.22,141.24 41.87,141.24 40.96,142.15 40.96,143.7 CA47.2
MICIN2N-MIC: length 8.5
  TOP w0.102: CA24.2 120.2,161.87 120.2,162.1 RA12.1 120.2,162.86 120.2,163.15 CA21.1 120.2,163.8 120.2,164.01 CA25.2 120.27,164.7 120.27,164.97 ESD72.2 120.26,165.6 120.26,167.89 120.31,167.94 MIC2.2
MICIN2P: length 59.7
  TOP w0.102: v1(123.22,158.17) 123.34,158.04 124.71,158.04 126.36,156.39 126.36,144.3 123.88,141.81 123.88,139.22 122.96,138.3 122.96,120.96 123.05,120.87 J70.114 ; 116.67,153.62 116.67,150.88 116.63,150.83 UA11.14 ; 116.67,153.62 TP35.1 ; 116.67,153.62 116.67,154.93 119.95,158.21 119.95,158.9 v1(119.83,159.03) 119.95,159.15 119.95,160.46 CA18.1
  BOTTOM w0.102: v1(119.83,159.03) 119.95,159.15 119.95,159.51 120.26,159.82 121.49,159.82 122.3,159 122.3,158.21 122.47,158.04 123.09,158.04 v1(123.22,158.17)
